# Altium PCB JacdacRp2040BrainEc30-NoStamp 124.PcbDoc (part 2 of 2)
Units mm, origin at the board's own origin, x right, y up, seen from the top; angles counter-clockwise.
Board outline 36.5 x 25 mm, 2 copper layers (Top Layer, Bottom Layer), stack 1.525 mm thick; 82 components, 68 nets, 347 pads, 97 vias.
Unrouted connection lines stored in the file: 41.
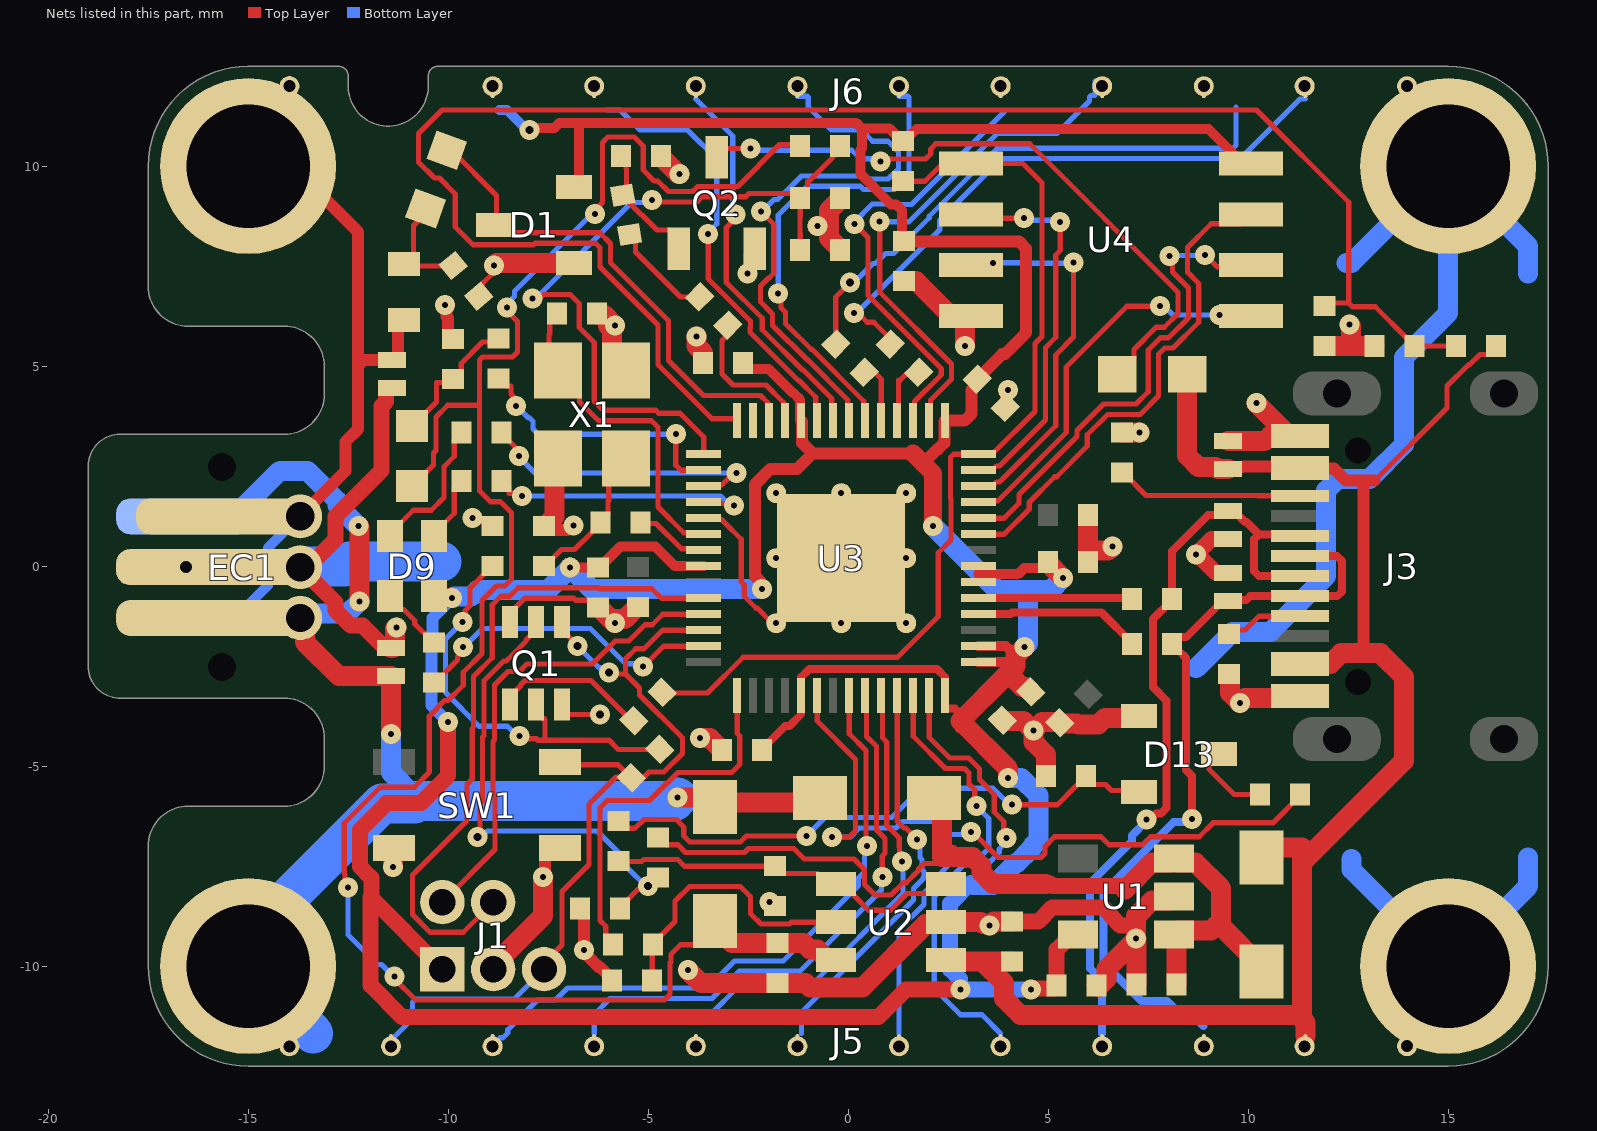
[diagram p2: the nets of this part, all layers, seen from the top]

## Via types
v1: diameter 0.5, hole 0.15, Top Layer to Bottom Layer, tented both sides, 89 vias
v2: diameter 0.5, hole 0.2, Top Layer to Bottom Layer, tented both sides, 7 vias
v3: diameter 0.6, hole 0.3, Top Layer to Bottom Layer, tented both sides, 1 vias

## Nets (pads, with @x,y where several pads share a name; then routed paths per layer and width w, separated by ;. In a path a pad name is that pad's centre, name@x,y a point inside that pad or via, vN(x,y) a via of type N, cw(c..) or ccw(c..) an arc to the next point about the centre after c; other vN are vias at no path point) (continued)
3V3: C3.2 C7.2 C8.2 C9.2 C10.2 C11.2 C12.2 C19.2 D1.2 D9.1 J1.1 J6.6 R7.1 U1.5 U3.1 U3.10 U3.22 U3.33 U3.42 U3.43 U3.44 U3.48 U3.49 U4.8 | length 122.8
  Top Layer w0.2: C9.2@-2.156,-4.575 -1.576,-3.995 -1.47,-3.995 -1.175,-3.7 U3.33@-1.175,-3.238 -1.175,-2.775 -0.97,-2.57 1.969,-2.57 2.22,-2.57 2.425,-2.775 U3.42@2.425,-3.238 ; U3.42@2.425,-3.322 2.425,-3.56 2.664,-3.56 2.768,-3.665 2.768,-4.068 ; U3.48@3.263,-0.4 3.263,-0.2 U3.49@3.263,0
  Top Layer w0.25: v2(-7.967,10.905) -7.919,10.953 -7.349,10.953 -7.217,11.085 -6.729,11.085 ; v1(-6.95,-0.038) -6.225,-0.038 -5.699,0.489 -4.817,0.489 -4.329,0 U3.22@-3.612,0 ; D1.2@-6.85,9.48 -6.729,9.601 -6.729,11.085 ; C11.2@-2.525,4.95 -2.508,4.933 -1.989,4.933 -1.386,4.33 -1.369,4.33 -1.2,4.161 -1.2,3.662 U3.10@-1.175,3.637 ; C19.2@1.345,8.117 1.345,8.899 1.198,9.045 1.069,9.045 0.305,9.809 0.305,10.403 0.347,10.445 0.347,10.939 ; U3.43@3.263,-2.4 4.024,-2.4 4.186,-2.239 3.947,-2 U3.44@3.263,-2 ; 3.263,-0.2 4.25,-0.2 4.4,-0.05 4.875,-0.05 5,0.075 C10.2@5,0.1 ; U4.8@10.07,10.065 9.87,10.065 9.005,10.93 1.705,10.93 1.4,10.625 1.35,10.625 1.036,10.939 0.347,10.939 ; -6.729,11.085 0.201,11.085 0.347,10.939
  Top Layer w0.3: v1(-2.155,-0.567) -2.193,-0.529 -2.193,-0.387 -2.255,-0.325 -2.255,-0.319 -2.33,-0.244 -2.33,1.193 -2.33,1.605 -2.33,2.045 -1.942,2.432 -1.279,2.432 -0.891,2.82 ; U3.10@-1.175,3.637 -1.155,3.617 -1.155,3.084 -0.891,2.82 ; C19.2@1.392,8.131 1.405,8.117 4.273,8.117 4.45,7.941 4.45,5.839 3.914,5.303 3.846,5.303 C12.2@3.222,4.679 ; 1.625,2.821 0.367,2.821 0.367,2.82 -0.891,2.82 ; 1.875,2.571 2.224,2.92 2.241,2.92 2.405,3.084 2.405,3.617 U3.1@2.425,3.637 2.912,3.637 3.088,3.813 3.088,4.403 3.205,4.519 C12.2@3.205,4.661
  Top Layer w0.4: J1.1@-10.145,-10.075 -11.939,-8.281 ; v1(-10,-3.9) -10,-5.235 -10.687,-5.921 -11.538,-5.921 -12.205,-6.589 -12.205,-7.512 -11.958,-7.759 -11.92,-7.797 -11.92,-8.262 -11.939,-8.281 ; v1(2.81,-10.585) 1.44,-10.585 0.755,-11.27 -11.149,-11.27 -11.939,-10.48 -11.939,-8.281 ; v1(4.565,-10.585) 4.592,-10.585 4.62,-10.557 5.163,-10.557 5.213,-10.507 5.213,-9.586 5.591,-9.208 U1.5@5.741,-9.208
  Top Layer w0.45: 1.625,2.821 1.875,2.571 2.125,2.321 v1(2.125,1)
  Top Layer w0.5: D9.1@-10.35,-0.75 -10.3,-0.8 v1(-9.9,-0.8) ; v1(4,-5.3) 4,-5.066 2.805,-3.871 4,-2.676 4.186,-2.491 ; 4.086,-2.662 4.086,-2.761 4.342,-3.018 4.442,-3.018 C7.2@4.564,-3.139 ; 4.186,-2.441 4.186,-2.239 v1(4.406,-2.018) ; C10.2@5,0.075 v1(5.37,-0.295)
  Bottom Layer w0.25: -8.714,11.405 -8.527,11.405 -8.027,10.905 v2(-7.967,10.905)
  Bottom Layer w0.3: v1(-10,-3.9) -10.416,-3.484 -10.416,-1.694 -10.399,-1.677 -10.399,-1.299 v1(-9.9,-0.8)
  Bottom Layer w0.4: 3.066,-7.914 2.546,-8.434 2.546,-10.078 2.791,-10.323 2.791,-10.566 v1(2.81,-10.585) v1(4.565,-10.585)
  Bottom Layer w0.5: v1(-9.9,-0.8) -9.86,-0.76 -9.426,-0.76 -9.266,-0.6 -7.512,-0.6 v1(-6.95,-0.038) -6.421,-0.567 v1(-2.155,-0.567) ; v1(2.125,1) 3.69,-0.565 ; 3.122,-7.97 3.637,-7.97 4.189,-7.418 4.222,-7.418 4.591,-7.049 4.591,-7.016 4.754,-6.852 4.754,-5.73 4.325,-5.3 v1(4,-5.3) ; 3.725,-0.6 4.497,-0.6 4.497,-1.928 v1(4.406,-2.018) ; 4.547,-0.6 5.065,-0.6 v1(5.37,-0.295)
B\O\O\T\: Q1.1 R8.2 | length 3.9
  Top Layer w0.13: Q1.1@-8.45,-3.453 -8.45,-3.253 -8.195,-2.998 -8.195,-2.973 -8.081,-2.858 -6.434,-2.858 -5.432,-3.86 R8.2@-5.359,-3.86
CC1: J3.A5 R15.1 | length 2
  Top Layer w0.13: R15.1@9.525,-1.696 9.625,-1.596 9.922,-1.596 10.267,-1.25 J3.A5@11.3,-1.25
CC2: J3.B5 R14.1 | length 4.7
  Top Layer w0.13: R14.1@6.842,2.349 6.867,2.349 7.446,1.77 10.234,1.77 10.242,1.762 11.287,1.762 J3.B5@11.3,1.75
GND: C1.1 C2.1 C3.1 C4.1 C5.1 C6.1 C7.1 C8.1 C9.1 C10.1 C11.1 C12.1 C13.1 C14.1 C15.1 C19.1 C20.2 C21.2 C22.1 C23.1 C24.1 C27.1 D1.1 D2.2 D3.2 D4.2 D5.2 D6.2 D13.1 EC1.2 J1.3 J3.A1 J3.A12 J3.B1 J3.B12 J5.23 J6.24 MH2.1 MH4.1 Q1.3 Q1.6 Q2.2 R6.1 R14.2 R15.2 R17.2 R22.1 R23.1 R27.1 R30.2 SW1.3 SW1.4 U1.2 U2.2 U3.19 U3.57 U4.4 X1.2 X1.4 | length 112.1
  Top Layer w0.13: C1.1@-9.232,6.752 -9.232,6.979 -8.926,7.285 -8.926,7.344 -8.855,7.414 v1(-8.855,7.514) ; Q1.6@-8.45,-1.393 -8.315,-1.258 -8.315,-1.033 -8.081,-0.798 -6.869,-0.798 -6.815,-0.853 -6.435,-0.853 C8.1@-6.25,-1.038 ; Q1.3@-7.15,-3.453 -7.15,-3.567 -7.007,-3.71 v2(-6.212,-3.71) ; U3.19@-3.612,1.2 -3.577,1.165 -3.164,1.165 -3.094,1.095 -2.675,0.676 -2.675,-0.387 -2.6,-0.462 -2.6,-0.751 -2.298,-1.053 -2.271,-1.053 -1.898,-1.425 U3.57@-1.8,-1.425
  Top Layer w0.2: v1(-9.396,1.2) -9.339,1.143 -9.166,1.143 -9.165,1.141 -9.04,1.141 C24.1@-8.89,0.991
  Top Layer w0.3: v1(-10.084,6.537) -10.046,6.498 -10.046,6.241 -10.009,6.204 -10.009,5.775 -9.909,5.675 R17.2@-9.884,5.675 ; v1(-7.626,-7.775) -7.626,-7.721 -7.575,-7.67 -7.575,-7.226 -7.4,-7.051 SW1.4@-7.2,-7.051 ; C21.2@-7.605,1.005 -7.505,0.905 -7.186,0.905 -7.18,0.899 -7.012,0.899 -6.894,1.017 v1(-6.869,1.017) ; C27.1@-6.708,-8.556 -6.608,-8.656 -6.608,-8.892 -6.6,-8.9 v1(-6.6,-9.6) ; -6.244,-10.016 -6.212,-10.016 -5.9,-10.328 R6.1@-5.9,-10.353 ; -6.213,-10.016 -6.245,-10.016 -6.409,-9.852 ; v1(-2.514,7.314) -2.514,7.368 -2.466,7.417 -2.466,7.808 Q2.2@-2.336,7.937 ; v1(-1.971,-8.39) -1.861,-8.5 C5.1@-1.827,-8.5 ; C12.1@3.929,3.971 3.947,3.989 3.947,4.293 4,4.346 v1(4,4.4) ; v1(-6.6,-9.6) -6.6,-9.654 v1@-6.562,-9.692 ; v1(-6.6,-9.6) -6.562,-9.638 v1@-6.562,-9.692 ; v1@-6.562,-9.692 -6.562,-9.698 -6.409,-9.852 ; v1@-6.562,-9.692 -6.409,-9.846 -6.409,-9.852
  Top Layer w0.4: D3.2@-11.425,-2.05 -11.575,-2.05 -12.141,-1.484 -12.436,-1.484 -12.82,-1.1 -12.82,-0.903 EC1.2@-13.7,-0.023 -13.511,-0.023 -12.82,0.667 -12.82,1.24 -11.665,2.396 -11.665,4.002 -11.55,4.117 -11.55,4.45 D2.2@-11.4,4.45 ; C4.1@4.09,-8.885 4.747,-8.885 5.105,-8.528 6.378,-8.528 6.571,-8.721 6.571,-8.749 6.806,-8.984 7.153,-8.984 7.191,-9.021 ; D5.2@9.5,-0.175 9.201,-0.175 8.727,0.299 v1(8.7,0.299) 9.076,0.675 D4.2@9.5,0.675
  Top Layer w0.5: D3.2@-11.425,-2.05 -11.375,-2.05 -11.325,-2 -11.325,-1.56 v1(-11.295,-1.53) ; v1(-11.378,-7.519) -11.378,-7.079 SW1.3@-11.35,-7.051 ; J1.3@-8.875,-10.075 -8.875,-9.988 -7.626,-8.739 v1(-7.626,-7.775) ; v1(-8.855,7.514) -8.79,7.58 D1.1@-6.85,7.58 ; C21.2@-7.605,1.005 -7.58,1.005 -7.343,1.242 -7.343,2.598 X1.4@-7.25,2.692 ; C20.2@-6.279,6.322 -6.279,6.297 -6.114,6.297 v1(-5.833,6.016) ; C8.1@-6.25,-1.038 -6.225,-1.038 -5.837,-1.425 v1(-5.833,-1.425) ; v1@-6.005,6.024 -5.9,5.919 -5.9,5.242 X1.2@-5.55,4.892 ; v1@-5.833,-1.324 -5.588,-1.324 -5.28,-1.016 C15.1@-5.255,-1.016 ; R30.2@-4.681,10.259 -4.681,10.234 -4.256,9.809 v1(-4.22,9.809) ; v1(-4.01,-10.097) -3.686,-10.421 -1.066,-10.421 -0.957,-10.53 0.357,-10.53 1.937,-8.95 2.4,-8.95 U2.2@2.45,-8.9 3.32,-8.9 v1@3.365,-8.945 ; v1(-3.79,5.748) -3.79,5.502 -3.625,5.337 C11.1@-3.625,5.075 ; v1(-3.7,-4.3) -3.454,-4.3 -3.156,-4.598 C9.1@-3.156,-4.623 ; v1(-0.763,8.506) -0.477,8.506 ; C22.1@-0.2,7.9 -0.2,7.925 -0.477,8.202 -0.477,8.898 -0.2,9.175 R22.1@-0.2,9.2 ; U3.57@-0.175,0.2 U3.57@1.45,0.2 ; C19.1@1.392,7.131 1.694,7.131 2.52,6.305 3.02,6.305 U4.4@3.07,6.255 2.97,6.255 2.92,6.205 v1(2.92,5.51) ; v1(3.529,-8.987) 3.631,-8.885 C4.1@4.09,-8.885 ; C7.1@3.856,-3.846 3.874,-3.864 4.384,-3.864 v1(4.631,-4.111) ; R27.1@4.944,-5.251 4.944,-4.705 4.631,-4.392 v1(4.631,-4.111) ; C13.1@5.17,-3.895 4.846,-3.895 v1(4.631,-4.111) ; C13.1@5.288,-3.913 5.305,-3.93 5.717,-3.93 5.743,-3.957 6.255,-3.957 6.413,-3.798 7.221,-3.798 D13.1@7.271,-3.748 ; C10.1@6,0.1 6,0.387 ; C14.1@6,1.275 6,0.387 ; C3.1@6.213,-10.482 6.25,-10.52 6.453,-10.316 6.453,-10.075 7.199,-9.329 v1(7.199,-9.308) ; v1(6.601,0.489) 6.5,0.387 6,0.387 ; R14.2@6.842,3.349 v1(7.284,3.349) ; C2.1@7.203,-10.457 7.203,-9.311 v1(7.199,-9.308) ; U1.2@8.141,-8.258 8.041,-8.358 7.592,-8.358 7.199,-8.75 v1(7.199,-9.308) ; D6.2@9.5,3.125 10.413,3.125 10.557,3.269 J3.A12@11.014,3.269 ; R15.2@9.525,-2.696 9.55,-2.696 9.55,-3.17 v1(9.793,-3.414) 9.907,-3.3 J3.A1@11.692,-3.3 ; v1(10.205,4.078) J3.A12@11.014,3.269 ; J3.A12@11.358,3.269 J3.A12@11.014,3.269 ; C23.1@11.904,5.507 12.254,5.507 R23.1@13.154,5.507 ; v1(12.535,6.042) 12.575,6.002 12.575,5.522
  Bottom Layer w0.5: 8.7,-2.55 9.61,-1.64 10.556,-1.64 11.95,-0.246 11.95,1.892 12.243,2.185 13.037,2.185 13.894,3.041 13.894,5.222 15,6.328 15,8.508 MH2.1@14.254,9.254 ; 12.457,7.585 12.585,7.585 MH2.1@14.254,9.254 ; 12.585,-7.323 12.585,-7.585 MH4.1@15,-10 ; MH4.1@15,-8.978 MH4.1@15,-10 ; 17,-7.281 17,-8 MH4.1@15,-10 ; 17,7.323 17,8 MH2.1@15,10 MH2.1@14.254,9.254
  Bottom Layer w1: EC1.2@-13.7,-0.023 -13.681,-0.004 -12.589,-0.004 -12.464,0.12 -10.172,0.12
  other v3: -16.55,-0.023
GPIO0: J6.18 U3.2 | length 13.1
  Top Layer w0.13: v1(0.787,8.613) 0.787,6.85 2.585,5.053 2.585,4.676 2.06,4.151 2.06,3.672 U3.2@2.025,3.637
  Bottom Layer w0.13: v1(0.787,8.613) 1.518,8.613 3.725,10.82 5.221,10.82 6.03,11.629 6.03,11.729 6.071,11.769 6.171,11.769 J6.18@6.171,12.123
GPIO1: J6.16 U3.3 | length 11.1
  Top Layer w0.13: v1(0.153,8.559) 0.495,8.218 0.495,6.775 2.325,4.945 2.325,4.783 1.66,4.119 1.66,3.672 U3.3@1.625,3.637
  Bottom Layer w0.13: v1(0.153,8.559) 0.153,8.609 0.603,9.058 1.086,9.058 1.099,9.045 1.582,9.045 3.918,11.38
GPIO2: J6.22 R25.2 | length 14.9
  Top Layer w0.13: v1(0.147,6.328) 0.247,6.328 0.475,6.1 0.64,6.1 1.051,5.689 R25.2@1.051,5.554
  Bottom Layer w0.13: v1(0.147,6.328) 0.209,6.328 2.286,8.405 2.286,8.642 3.834,10.19 9.804,10.19 11.294,11.68 11.43,11.68
GPIO3: J6.20 R26.2 | length 13.7
  Top Layer w0.13: R26.2@-0.31,5.554 -0.293,5.571 -0.293,5.833 -0.31,5.851 -0.31,6.731 v2(0.05,7.092)
  Bottom Layer w0.13: v2(0.05,7.092) 0.143,7.092 0.617,7.566 0.68,7.566 0.935,7.82 1.133,7.82 2.026,8.713 2.026,8.75 3.726,10.45 9.62,10.45 9.696,10.526 9.696,11.472
GPIO4: J6.14 U3.6 | length 12.4
  Top Layer w0.13: v1(-1.75,6.82) -1.679,6.749 -1.679,6.463 -1.565,6.349 -1.565,6.064 -0.925,5.424 -0.908,5.424 0.39,4.126 0.39,3.672 U3.6@0.425,3.637
  Bottom Layer w0.13: v1@-1.749,6.821 -1.749,8.782 -1.034,9.497 0.306,9.497 0.386,9.417 1.149,9.417 1.517,9.786 1.517,11.729 1.496,11.75 J6.14@1.27,11.75 J6.14@1.27,12.1
GPIO5: J6.12 U3.7 | length 14.4
  Top Layer w0.13: v1(-2.184,8.872) v1(-2.184,8.872) -1.862,8.551 -1.862,7.323 -1.976,7.209 -1.99,7.209 -2.195,7.004 -2.195,6.611 -1.889,6.306 -1.889,6.021 -1.033,5.164 -1.016,5.164 -0.01,4.159 -0.01,3.672 U3.7@0.025,3.637
  Bottom Layer w0.13: v1(-2.184,8.872) -2.148,8.872 -1.852,9.169 -1.76,9.169 -1.598,9.331 -1.172,9.757 0.413,9.757 0.493,9.677 0.994,9.677 1.255,9.938 1.255,10.363 0.994,10.624 0.614,10.624 0.333,10.905 -0.425,10.905 -1.001,11.481 -1.001,11.729 -1.023,11.75 J6.12@-1.27,11.75 J6.12@-1.27,12.082
GPIO6: J6.10 U3.8 | length 9.7
  Top Layer w0.13: v1(-2.822,8.79) -2.822,8.69 -3.052,8.46 -3.052,7.101 -2.149,6.198 -2.149,5.913 -1.14,4.904 -1.123,4.904 -0.41,4.191 -0.41,3.672 U3.8@-0.375,3.637
  Bottom Layer w0.13: -3.81,11.68 -2.885,10.755 -2.885,8.853 v1(-2.822,8.79)
GPIO7: J6.8 U3.9 | length 11
  Top Layer w0.13: v1(-3.5,8.3) -3.5,7.181 -3.312,6.993 -2.444,6.126 -2.444,5.964 -2.452,5.956 -2.452,5.848 -1.248,4.644 -1.231,4.644 -0.81,4.223 -0.81,3.672 U3.9@-0.775,3.637
  Bottom Layer w0.13: -6.033,11.405 -5.708,11.405 -5.208,10.905 -4.015,10.905 -3.289,10.178 -3.289,8.561 -3.5,8.35 v1(-3.5,8.3)
GPIO10: U3.13
GPIO24: J5.5 U3.36 | length 15.6
  Top Layer w0.13: U3.36@0.025,-3.238 0.025,-4.187 0.445,-4.607 0.445,-6.96 v1(0.476,-6.991)
  Bottom Layer w0.13: -8.707,-11.787 -8.629,-11.787 -8.511,-11.669 -8.511,-11.591 -7.765,-10.845 -7.314,-10.845 -7.014,-10.545 -3.517,-10.545 -2.84,-9.868 -1.626,-9.868 0.261,-7.981 0.261,-7.791 0.407,-7.645 0.407,-7.06 v1(0.476,-6.991)
GPIO25: J5.7 U3.37 | length 14
  Top Layer w0.13: U3.37@0.425,-3.238 0.46,-3.273 0.46,-4.254 0.705,-4.499 0.705,-6.591 0.921,-6.807 0.921,-7.175 0.852,-7.244 v1(0.852,-7.772)
  Bottom Layer w0.13: -6.35,-11.68 -6.35,-11.2 -5.955,-10.805 -3.409,-10.805 -2.732,-10.128 -1.206,-10.128 0.83,-8.091 0.83,-7.793 v1(0.852,-7.772)
GPIO26: J5.9 U3.38 | length 11.5
  Top Layer w0.13: U3.38@0.825,-3.238 0.86,-3.273 0.86,-4.286 0.965,-4.391 0.965,-6.483 1.275,-6.793 1.275,-7.013 1.279,-7.017 1.279,-7.314 v1(1.35,-7.385)
  Bottom Layer w0.13: -3.66,-11.332 -3.569,-11.332 -2.625,-10.388 -2.549,-10.388 ; -2.548,-10.388 -0.837,-10.388 1.371,-8.18 1.371,-7.406 v1(1.35,-7.385)
GPIO27: J5.11 U3.39 | length 10
  Top Layer w0.13: U3.39@1.225,-3.238 1.225,-6.376 1.394,-6.545 1.436,-6.545 v1(1.72,-6.829)
  Bottom Layer w0.13: -1.17,-11.68 -1.17,-11.149 1.631,-8.348 1.631,-8.055 1.878,-7.809 1.878,-7.779 1.896,-7.762 1.896,-7.636 1.844,-7.584 1.844,-7.339 1.791,-7.285 1.791,-6.899 v1(1.72,-6.829)
GPIO28: J5.13 U3.40 | length 10.8
  Top Layer w0.13: U3.40@1.625,-3.238 1.625,-4.251 2.429,-5.055 2.906,-5.055 3.02,-5.169 3.02,-5.443 3.165,-5.587 3.165,-5.956 v1(3.205,-5.997)
  Bottom Layer w0.13: 1.27,-11.68 1.27,-9.077 1.891,-8.456 1.891,-8.163 2.34,-7.715 2.34,-7.644 2.774,-7.209 3.358,-7.209 3.516,-7.052 3.516,-6.315 3.205,-6.005 v1(3.205,-5.997)
GPIO29: J5.15 U3.41 | length 11.6
  Top Layer w0.13: U3.41@2.025,-3.238 2.025,-4.283 2.537,-4.795 3.013,-4.795 3.28,-5.062 3.28,-5.335 3.65,-5.705 3.65,-6.145 3.89,-6.385 3.89,-6.717 v1(3.961,-6.788)
  Bottom Layer w0.13: 3.81,-11.68 3.344,-11.214 2.81,-11.214 2.151,-10.555 2.151,-8.271 2.617,-7.805 2.617,-7.734 2.882,-7.469 3.466,-7.469 3.776,-7.16 3.776,-7.073 3.961,-6.888 v1(3.961,-6.788)
I\L\I\M\_\H\I\: R5.1 U3.29 | length 9.2
  Top Layer w0.13: R5.1@-5.879,-9.461 -6.064,-9.276 -6.064,-9 -6.208,-8.856 -6.208,-6.037 -6.025,-5.855 -4.966,-5.855 -4.519,-5.408 -4.505,-5.408 -4.252,-5.155 -2.91,-5.155 -2.711,-4.956 -2.711,-4.244 -2.775,-4.18 U3.29@-2.775,-3.238
ILIM_DET: C22.2 R20.1 R22.2 U3.15 | length 18.4
  Top Layer w0.13: v1(-7.897,6.689) -7.827,6.76 -7.642,6.76 -7.609,6.792 -6.948,6.792 -6.724,6.568 -6.724,5.967 -6.35,5.593 -6.35,4.116 -6.132,3.897 -4.812,3.897 -4.74,3.825 -4.206,3.825 -3.612,3.232 U3.15@-3.612,2.8 ; v1(-4.909,9.152) -4.861,9.104 -3.783,9.104 -3.653,9.235 -2.56,9.235 -2.478,9.317 -1.317,9.317 R22.2@-1.2,9.2 ; C22.2@-1.2,7.9 -1.2,8.314 -1.208,8.321 -1.208,8.752 -1.2,8.76 R22.2@-1.2,9.2 ; R20.1@-0.2,10.5 -0.385,10.315 -0.385,10.215 -0.99,9.61 -1.015,9.61 -1.015,9.385 R22.2@-1.2,9.2
  Bottom Layer w0.13: v1(-7.897,6.689) -7.822,6.689 -5.419,9.092 -4.969,9.092 v1(-4.909,9.152)
ILIM_EN: C28.2 U3.34 | length 17.7
  Top Layer w0.13: U3.34@-0.775,-3.238 -0.775,-3.87 0.185,-4.83 0.185,-6.616 0.035,-6.766 v1@-0.409,-6.766 ; v1(3.071,-6.64) 3.107,-6.64 3.748,-7.281 4.817,-7.281 4.918,-7.18 4.918,-7.005 5.161,-6.763 6.322,-6.763 6.523,-6.963 7.36,-6.963 7.561,-6.763 7.885,-6.763 8.776,-6.763 9.123,-6.416 10.617,-6.416 11.3,-5.732 C28.2@11.3,-5.707
  Bottom Layer w0.13: v1(-0.41,-6.767) 0.054,-6.767 0.276,-6.544 1.194,-6.544 1.355,-6.384 2.236,-6.384 2.561,-6.708 3.002,-6.708 v1(3.071,-6.64)
ILIM_OUT: C6.2 D8.2 D10.2 R20.2 U2.6 | length 49.1
  Top Layer w0.13: v1(-12.509,-8.028) -12.58,-7.958 -12.58,-7.696 -12.6,-7.676 -12.6,-6.425 -11.701,-5.526 -10.85,-5.526 -10.472,-5.148 -10.472,-3.743 -10.089,-3.36 -10.008,-3.36 -9.625,-2.977 -9.625,-2.65 -9.158,-2.182 -9.158,-0.858 -8.793,-0.493 -8.587,-0.493 -8.42,-0.326 -8.42,1.336 -8.696,1.611 -8.943,1.611 -9.219,1.887 -9.219,4.022 ; v1(-11.34,-10.259) -11.34,-10.316 -10.811,-10.845 -4.591,-10.845 -4.455,-10.709 -4.455,-10.282 -4.455,-9.913 -4.434,-9.891 -4.434,-9.701 -4.194,-9.462 -3.815,-9.462 -3.33,-8.977 D10.2@-3.33,-8.875 ; D8.2@-10.9,2 -10.369,2.531 -10.369,2.829 -10.305,2.893 -10.305,3.727 -10.01,4.022 -9.219,4.022 ; v1(-8.527,6.464) -8.527,6.376 -8.27,6.119 -8.27,5.357 -8.394,5.233 -9.143,5.233 -9.219,5.157 -9.219,4.022 ; v1(-6.334,8.806) -6.334,8.906 -6.146,9.094 -6.146,10.594 -6.011,10.729 -5.35,10.729 -5.126,10.505 -5.126,9.903 -4.856,9.634 -4.761,9.634 -4.492,9.364 -3.891,9.364 -3.761,9.495 -2.759,9.495 -1.714,10.54 -1.24,10.54 R20.2@-1.2,10.5
  Top Layer w0.5: D10.2@-3.33,-8.875 -3.33,-9 -2.909,-9.421 C6.2@-1.769,-9.421 -1.116,-9.421 -0.957,-9.58 -0.77,-9.58 -0.55,-9.8 -0.35,-9.8 U2.6@-0.3,-9.85
  Bottom Layer w0.13: v1(-12.509,-8.028) -12.509,-9.214 -11.763,-9.96 -11.671,-9.96 -11.372,-10.259 v1(-11.34,-10.259) ; v1(-8.527,6.464) -8.527,6.564 -8.342,6.749 -8.342,6.873 -6.41,8.806 v1(-6.334,8.806)
JD_DATA: D2.1 EC1.1 FB1.1 J6.2 MH1.1 | length 20.6
  Top Layer w0.3: EC1.1@-15.65,1.247 EC1.1@-13.7,1.247 -12.57,2.376 -12.57,3.11 -12.25,3.43 -12.25,4.325 ; MH1.1@-15,10 -13.15,10 -13.15,9.256 -12.25,8.356 -12.25,5.15 -12.25,4.325 ; D2.1@-11.4,5.15 D2.1@-11.35,5.15 ; FB1.1@-11.1,6.158 -11.25,6.008 -11.25,5.2 -11.3,5.15 D2.1@-11.35,5.15 ; -12.25,4.325 -12.25,5.016 -12.116,5.15 D2.1@-11.35,5.15
  Bottom Layer w0.25: EC1.1@-16.325,-1.27 -15.3,-1.27 -14.511,-0.481 -14.511,0.459 EC1.1@-13.7,1.27
JD_DATA_MCU: D1.3 R1.2 U3.12 | length 12.5
  Top Layer w0.13: R1.2@-10.035,10.398 -9.92,10.398 -8.79,9.268 -8.79,8.59 D1.3@-8.85,8.53 -8.655,8.335 -6.212,8.335 -5.945,8.069 -5.945,7.585 -4.495,6.135 -4.495,5.144 -3.621,4.27 -2.194,4.27 -2.01,4.086 -2.01,3.672 U3.12@-1.975,3.637
JD_PWR: D3.1 D10.1 D12.2 EC1.3 J5.1 MH3.1 | length 34.5
  Top Layer w0.5: EC1.3@-13.625,-1.27 -13.7,-1.27 -13.585,-1.385 -13.585,-1.898 -12.733,-2.75 D3.1@-11.425,-2.75 v1(-11.425,-4.196) ; v1(-12.24,1) -12.22,0.98 v1(-12.22,-0.88) ; v1(-4.262,-5.781) -4.256,-5.787 -3.568,-5.787 D10.1@-3.33,-6.025 ; D10.1@-3.3,-5.913 -0.812,-5.913 D12.2@-0.7,-5.8
  Bottom Layer w0.5: EC1.3@-16.6,1.247 -15.35,1.247 -14.212,2.385 -13.523,2.385 -12.77,1.632 -12.77,1.52 -12.25,1 v1(-12.24,1) ; EC1.3@-13.7,-1.293 -13.585,-1.179 -12.519,-1.179 v1(-12.22,-0.88) ; v1(-11.425,-4.196) -11.425,-5.163 -10.842,-5.746
  Bottom Layer w1: -13.375,-11.68 -13.638,-11.418 -15,-10.055 MH3.1@-15,-10 -15,-9.275 -11.654,-5.928 -10.842,-5.928 -10.78,-5.866 -4.347,-5.866 v1(-4.262,-5.781)
JD_RGB_B: R11.2 U3.18 | length 6.9
  Top Layer w0.13: R11.2@-8.664,2.133 -8.479,1.948 -8.479,1.823 -8.214,1.823 v1(-8.149,1.758) ; U3.18@-3.612,1.6 -3.577,1.565 -2.903,1.565 v1(-2.86,1.522)
  Bottom Layer w0.13: v1(-8.149,1.758) -3.195,1.758 -2.96,1.522 v1(-2.86,1.522)
JD_RGB_G: R12.2 U3.17 | length 7.4
  Top Layer w0.13: R12.2@-8.664,3.345 -8.664,3.32 -8.301,2.957 -8.301,2.761 v1(-8.23,2.761) ; U3.17@-3.612,2 -3.275,2 -3.24,2.035 -3.159,2.035 -2.865,2.329 v1(-2.795,2.329)
  Bottom Layer w0.13: v1(-8.23,2.761) -8.23,2.728 -7.831,2.329 v1(-2.795,2.329)
JD_RGB_R: R13.2 U3.27 | length 8
  Top Layer w0.13: R13.2@-10.35,-2.901 -10.325,-2.901 -9.766,-2.342 -9.766,-2.261 -9.626,-2.121 v1(-9.626,-2.021) ; v1(-5.126,-2.507) -4.618,-2 U3.27@-3.612,-2